# Altium PCB RT_SUPER_B1.PCBdoc (part 1 of 2)
Units mil, origin at the board's own origin, x right, y up, seen from the top; angles counter-clockwise.
Board outline 1617.06 x 1691.18 mil, 4 copper layers (Top Layer, GND, PWR, Bottom Layer), stack 39.556 mil thick; 138 components, 99 nets, 466 pads, 206 vias.
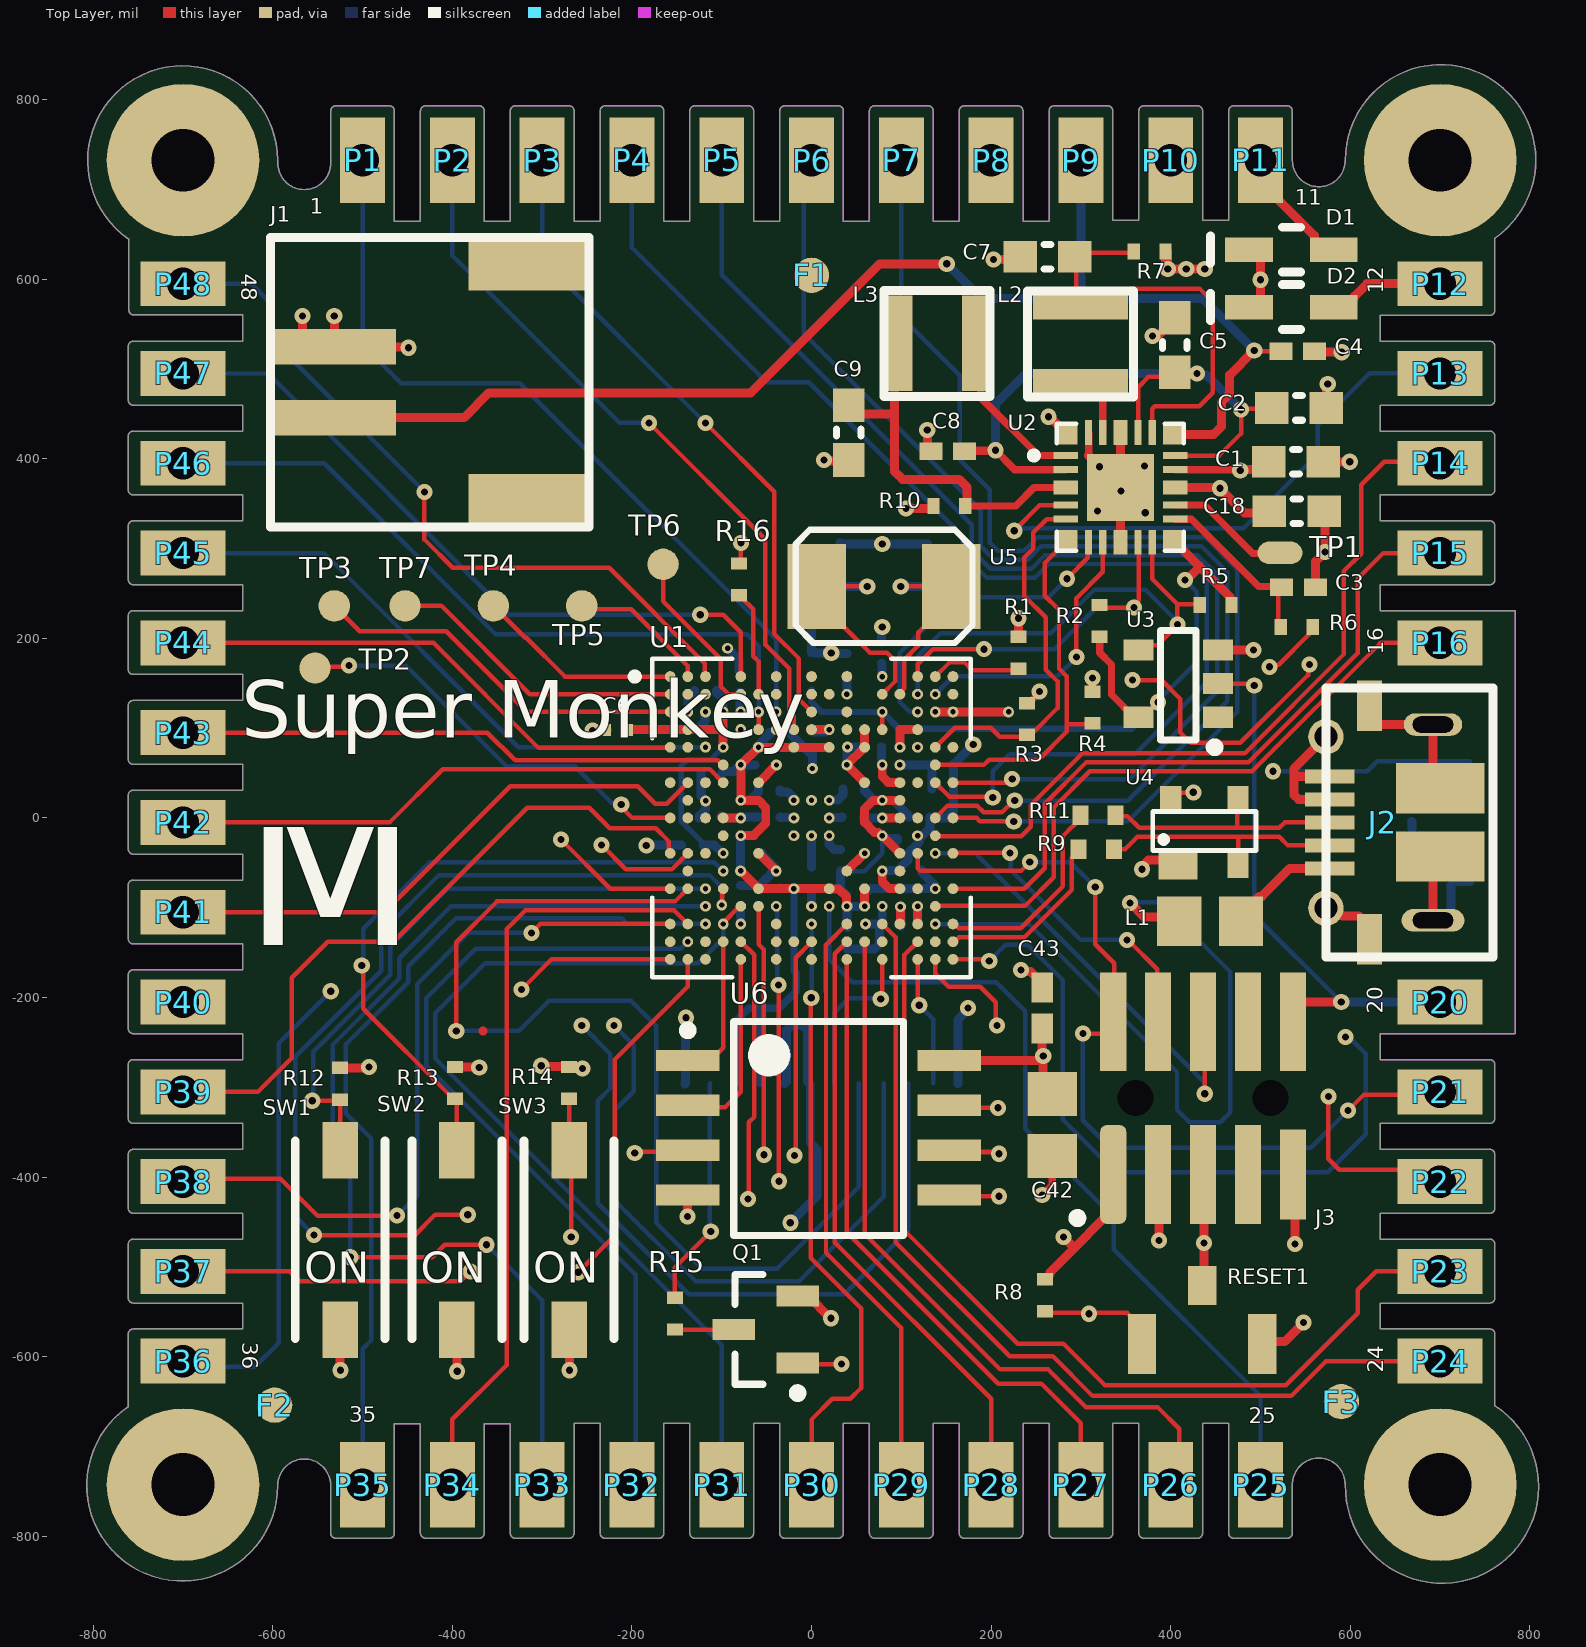
[diagram p0: Top Layer view]
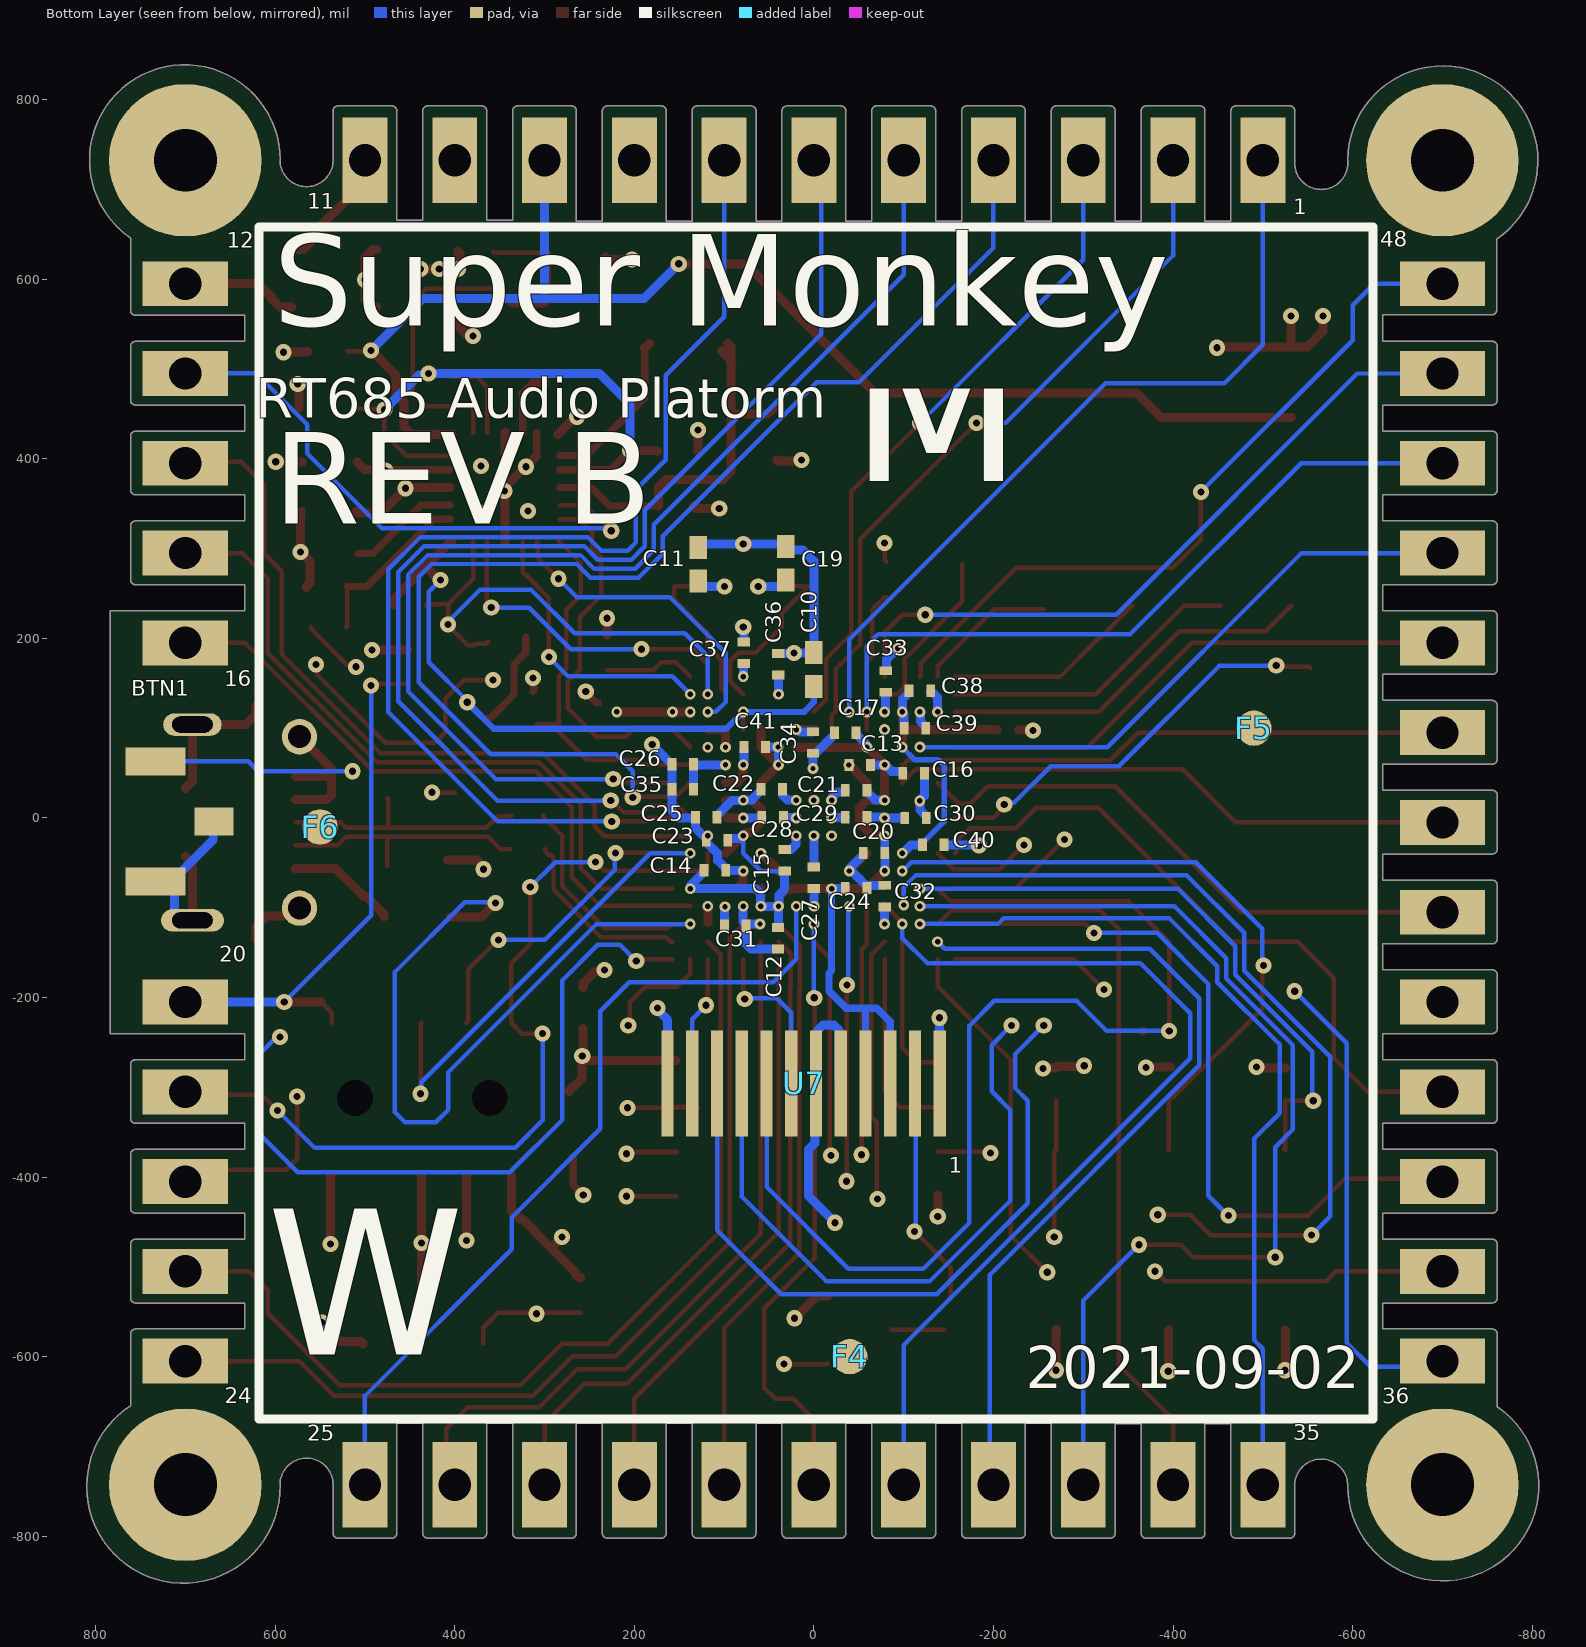
[diagram p1: Bottom Layer view, seen from below]
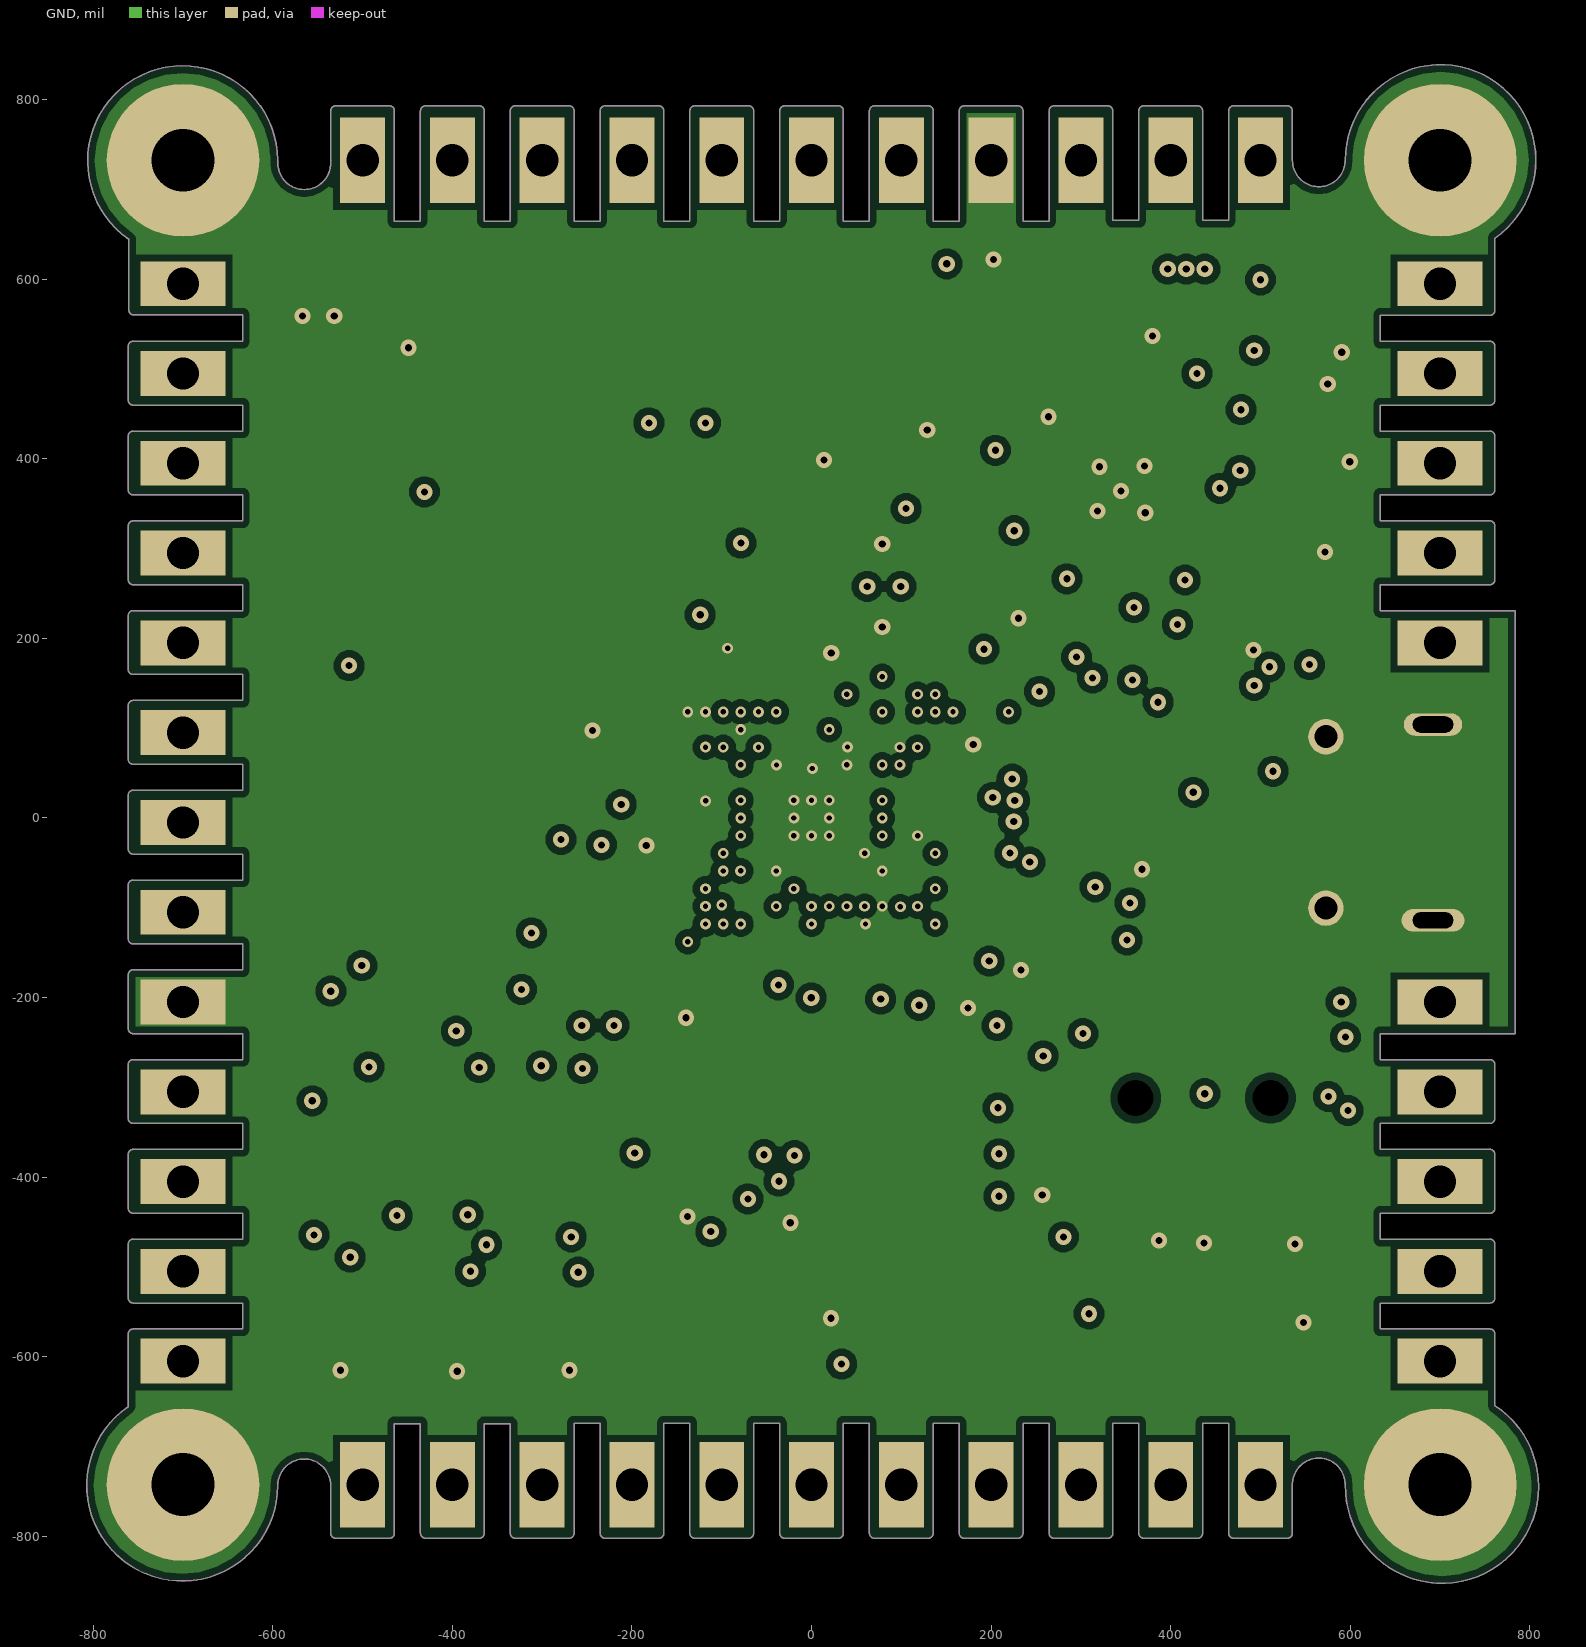
[diagram p2: GND]
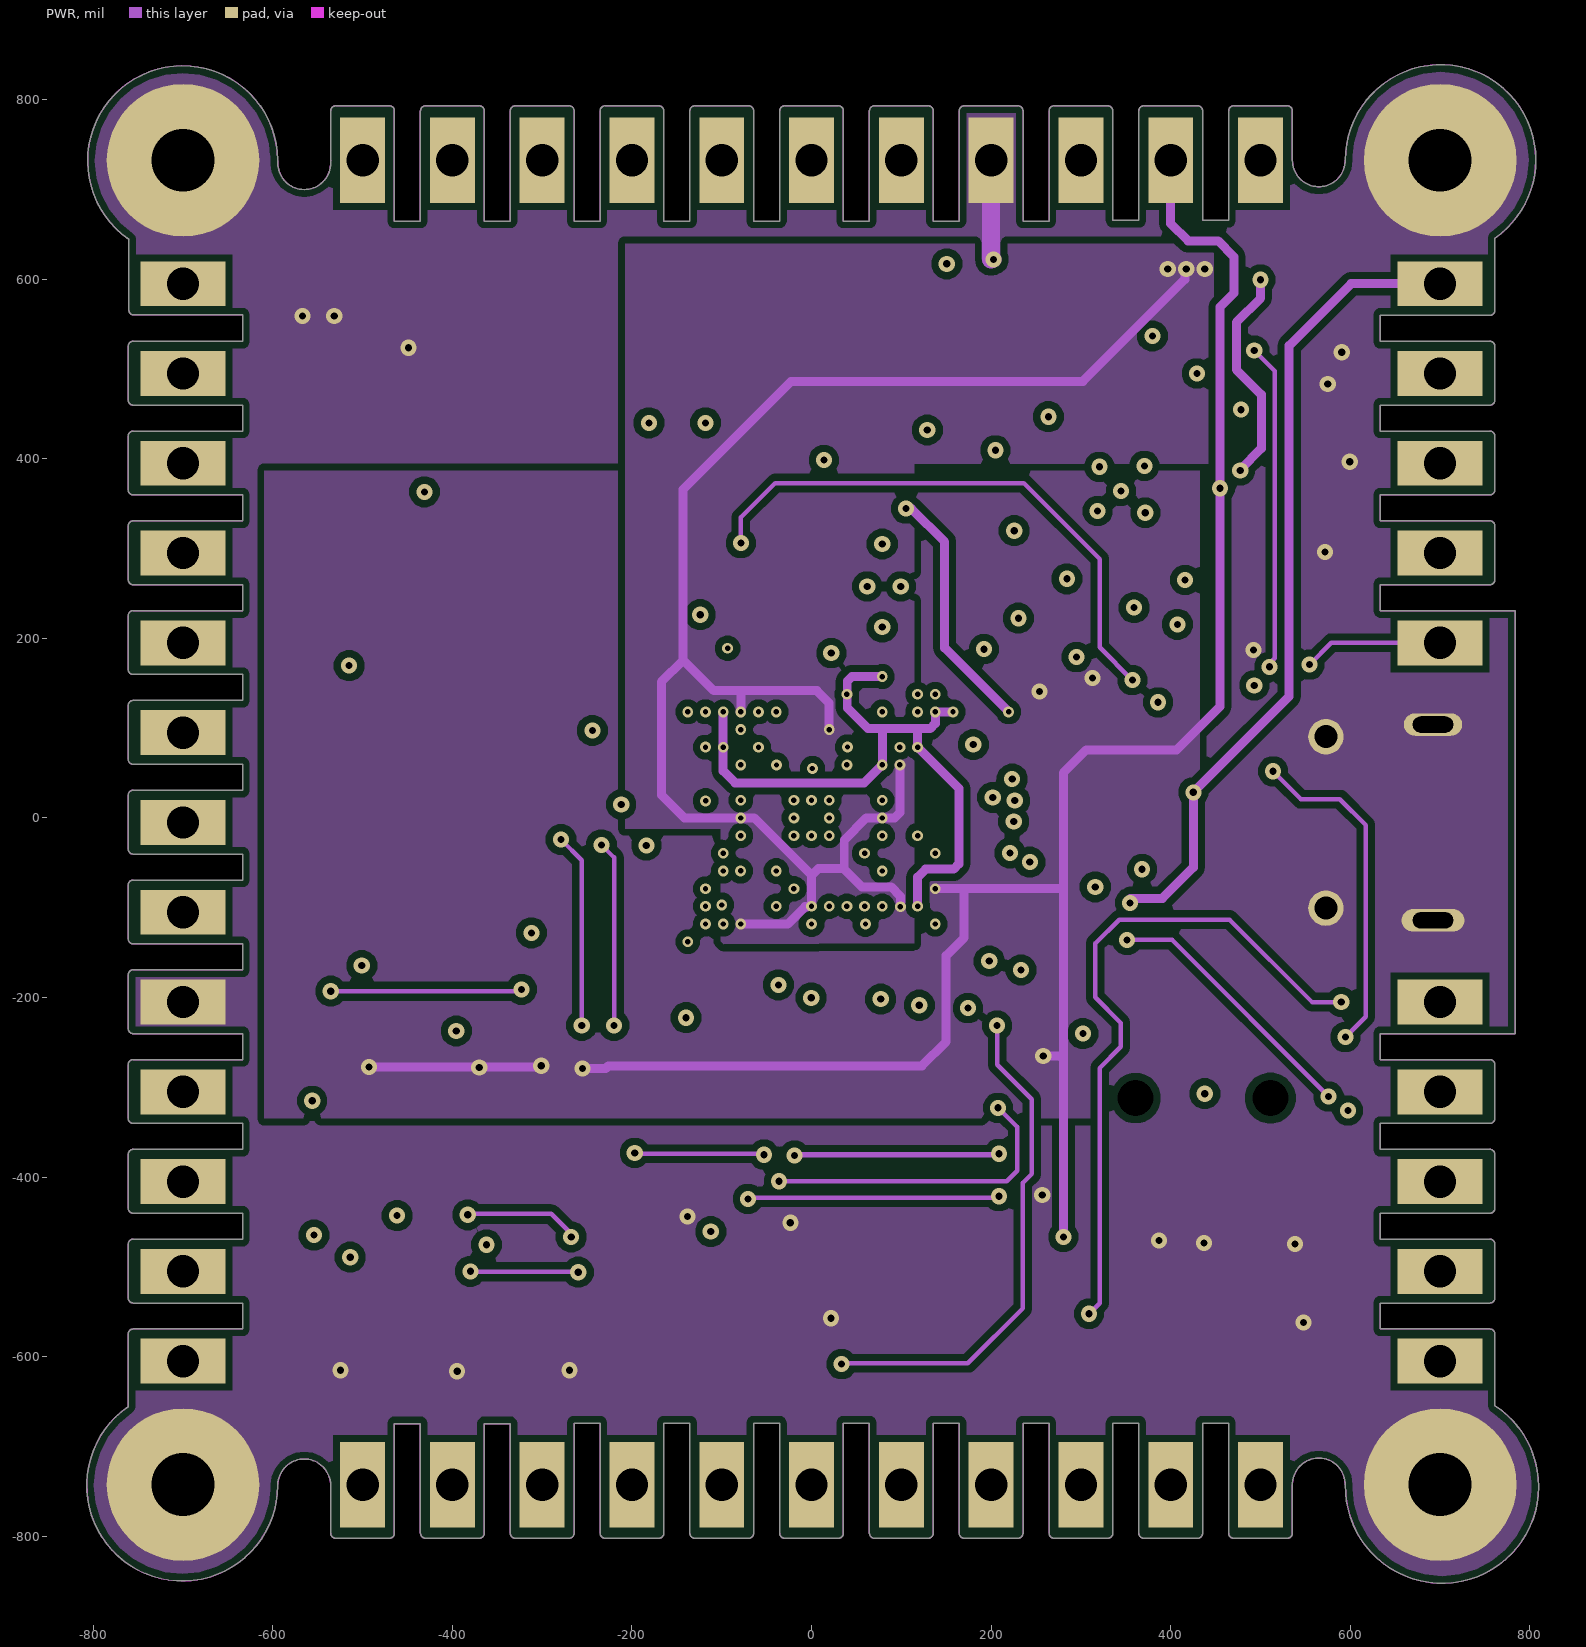
[diagram p3: PWR]
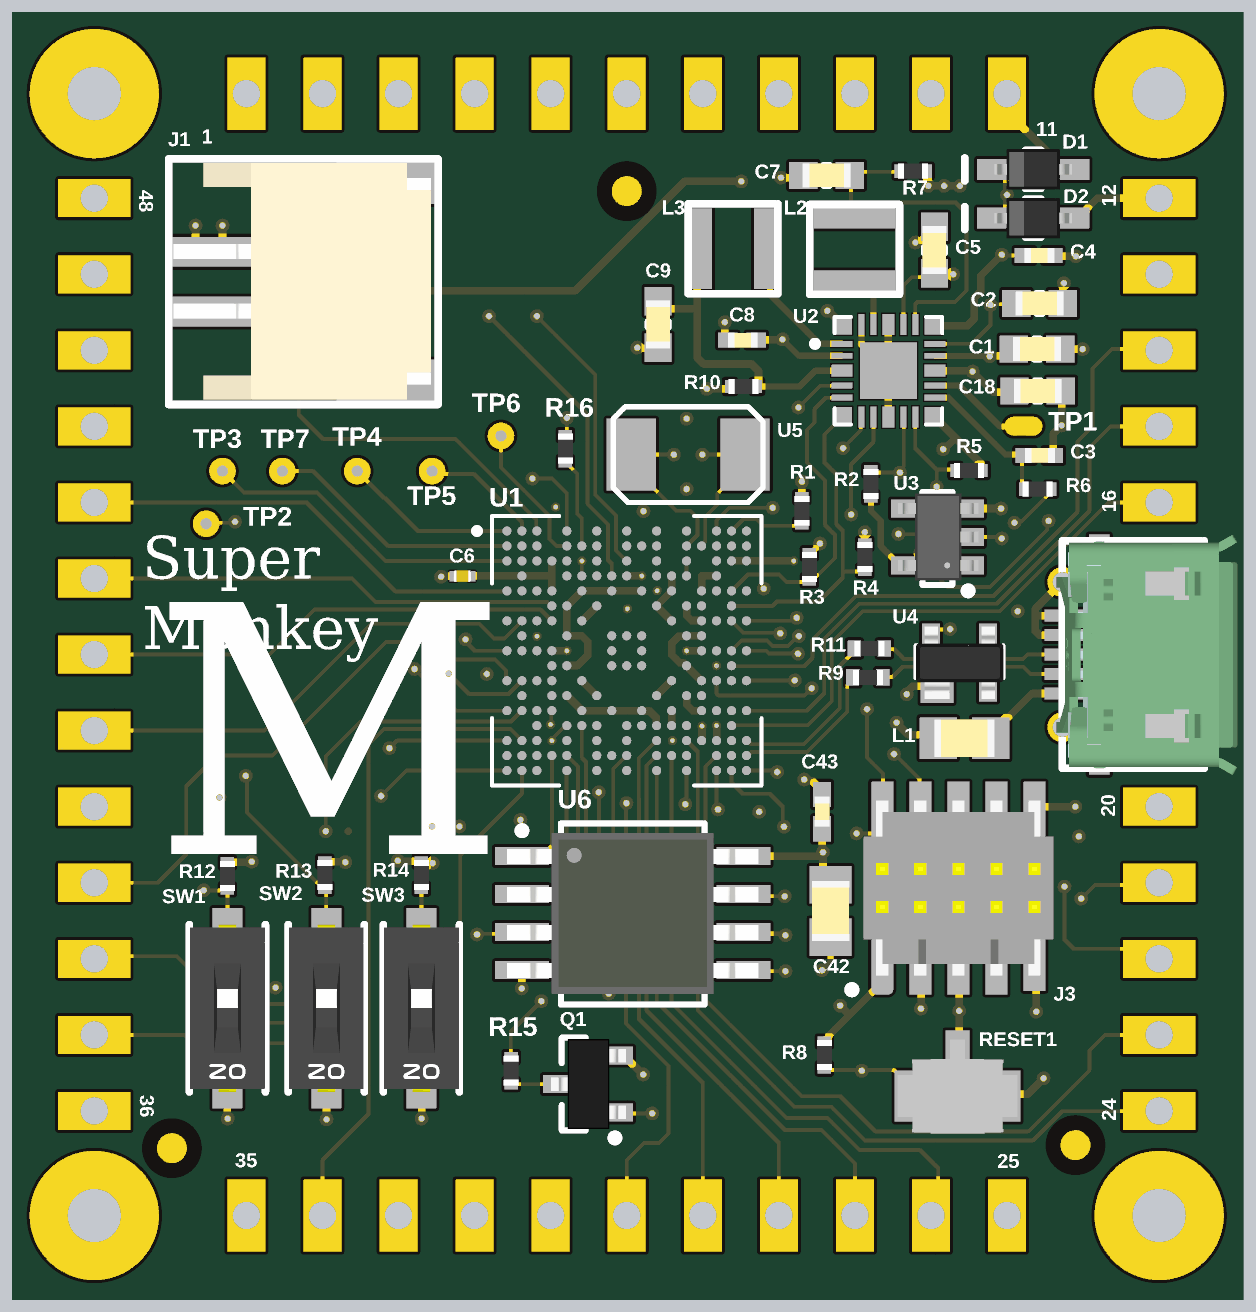
[diagram p5: 3D render of the assembled board from above, using the file's embedded part models]
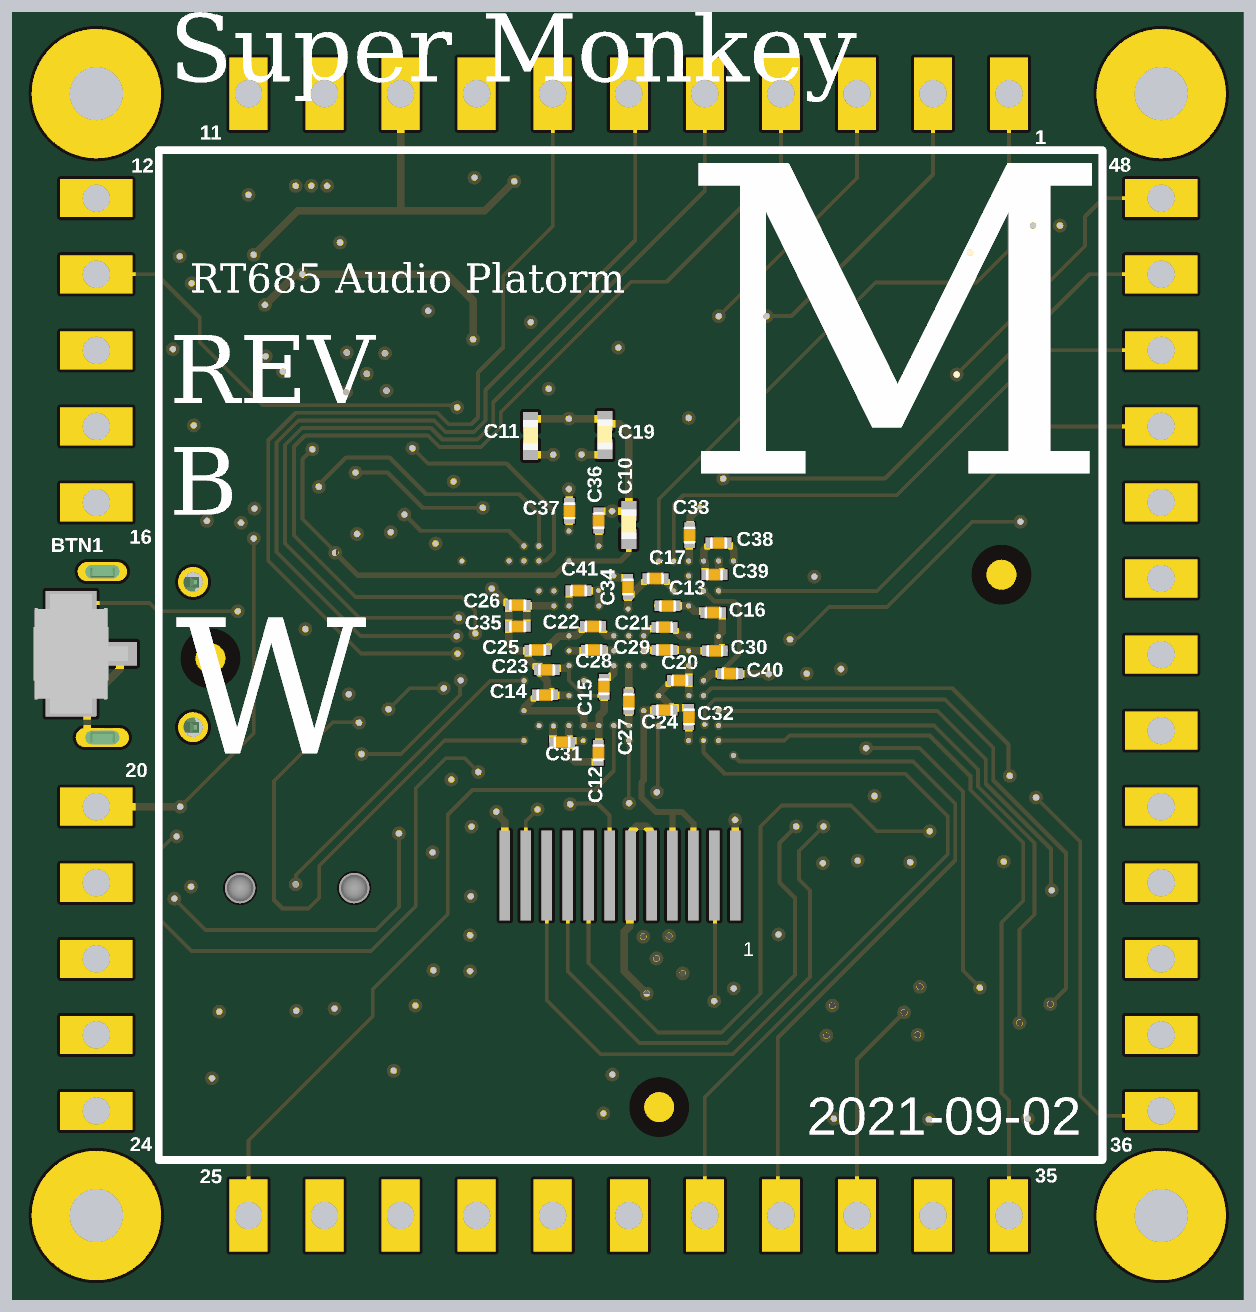
[diagram p6: 3D render of the assembled board from below, using the file's embedded part models]

## Layer stack, top to bottom
Top Solder: solder mask 0.4, Solder Resist, Dk 3.5
Top Layer: signal copper 1.4
Dielectric 1: prepreg 2.8, PP-006, Dk 4.1
GND: signal copper 1.378
Dielectric1: dielectric 28.4, FR-4, Dk 4.8
PWR: signal copper 1.378
Dielectric 2: prepreg 2.8, PP-006, Dk 4.1
Bottom Layer: signal copper 1.4
Bottom Solder: solder mask 0.4, Solder Resist, Dk 3.5

## Board outline
-761.03,-655.63 -761.03,-574.66 cw(c-755.5,-574.66) -755.5,-569.13 -633.63,-569.13 -633.63,-540.19 -755.5,-540.19 cw(c-755.5,-534.66) -761.03,-534.66 -761.03,-474.66 cw(c-755.5,-474.66) -755.5,-469.13 -633.63,-469.13 -633.63,-440.19 -755.5,-440.19 cw(c-755.5,-434.66) -761.03,-434.66 -761.03,-374.66 cw(c-755.5,-374.66) -755.5,-369.13 -633.63,-369.13 -633.63,-340.19 -755.5,-340.19 cw(c-755.5,-334.66) -761.03,-334.66 -761.03,-274.66 cw(c-755.5,-274.66) -755.5,-269.13 -633.63,-269.13 -633.63,-240.19 -755.5,-240.19 cw(c-755.5,-234.66) -761.03,-234.66 -761.03,-174.66 cw(c-755.5,-174.66) -755.5,-169.13 -633.63,-169.13 -633.63,-140.19 -755.5,-140.19 cw(c-755.5,-134.66) -761.03,-134.66 -761.03,-74.66 cw(c-755.5,-74.66) -755.5,-69.13 -633.63,-69.13 -633.63,-40.19 -755.5,-40.19 cw(c-755.5,-34.66) -761.03,-34.66 -761.03,25.34 cw(c-755.5,25.34) -755.5,30.87 -633.63,30.87 -633.63,59.81 -755.5,59.81 cw(c-755.5,65.34) -761.03,65.34 -761.03,125.34 cw(c-755.5,125.34) -755.5,130.87 -633.63,130.87 -633.63,159.81 -755.5,159.81 cw(c-755.5,165.34) -761.03,165.34 -761.03,225.34 cw(c-755.5,225.34) -755.5,230.87 -633.63,230.87 -633.63,259.81 -755.5,259.81 cw(c-755.5,265.34) -761.03,265.34 -761.03,325.34 cw(c-755.5,325.34) -755.5,330.87 -633.63,330.87 -633.63,359.81 -755.5,359.81 cw(c-755.5,365.34) -761.03,365.34 -761.03,425.34 cw(c-755.5,425.34) -755.5,430.87 -633.63,430.87 -633.63,459.81 -755.5,459.81 cw(c-755.5,465.34) -761.03,465.34 -761.03,525.34 cw(c-755.5,525.34) -755.5,530.87 -633.63,530.87 -633.63,560.18 -754.87,560.18 cw(c-754.87,565.71) -760.4,565.71 -760.4,644.52 cw(c-700.38,731.76) -594.49,732.66 cw(c-601.76,732.3) -594.49,732.02 ccw(c-564.99,729.52) -535.38,729.29 ccw(c-564.95,729.29) -535.5,731.96 cw(c-530.02,732.5) -535.53,732.5 -535.53,787.5 cw(c-530,787.5) -530,793.03 -470,793.03 cw(c-470,787.5) -464.47,787.5 -464.47,664.76 -435.53,664.76 -435.53,787.5 cw(c-430,787.5) -430,793.03 -370,793.03 cw(c-370,787.5) -364.47,787.5 -364.47,664.76 -335.53,664.76 -335.53,787.5 cw(c-330,787.5) -330,793.03 -270,793.03 cw(c-270,787.5) -264.47,787.5 -264.47,664.76 -235.53,664.76 -235.53,787.5 cw(c-230,787.5) -230,793.03 -170,793.03 cw(c-170,787.5) -164.47,787.5 -164.47,664.76 -135.53,664.76 -135.53,787.5 cw(c-130,787.5) -130,793.03 -70,793.03 cw(c-70,787.5) -64.47,787.5 -64.47,664.76 -35.53,664.76 -35.53,787.5 cw(c-30,787.5) -30,793.03 30,793.03 cw(c30,787.5) 35.53,787.5 35.53,664.76 64.47,664.76 64.47,787.5 cw(c70,787.5) 70,793.03 130,793.03 cw(c130,787.5) 135.53,787.5 135.53,664.76 164.47,664.76 164.47,787.5 cw(c170,787.5) 170,793.03 230,793.03 cw(c230,787.5) 235.53,787.5 235.53,664.76 264.47,664.76 264.47,787.5 cw(c270,787.5) 270,793.03 330,793.03 cw(c330,787.5) 335.53,787.5 335.53,665.63 364.47,665.63 364.47,787.5 cw(c370,787.5) 370,793.03 430,793.03 cw(c430,787.5) 435.53,787.5 435.53,665.63 464.47,665.63 464.47,787.5 cw(c470,787.5) 470,793.03 530,793.03 cw(c530,787.5) 535.53,787.5 535.53,732.5 ccw(c565,732.5) 594.47,732.5 cw(c700.58,732.76) 806.69,732.9 cw(c700.62,732.9) 761.04,645.73 761.04,565.34 cw(c755.51,565.34) 755.51,559.81 633.64,559.81 633.64,530.87 755.51,530.87 cw(c755.51,525.34) 761.04,525.34 761.04,465.34 cw(c755.51,465.34) 755.51,459.81 633.64,459.81 633.64,430.87 755.51,430.87 cw(c755.51,425.34) 761.04,425.34 761.04,365.34 cw(c755.51,365.34) 755.51,359.81 633.64,359.81 633.64,330.87 755.51,330.87 cw(c755.51,325.34) 761.04,325.34 761.04,265.34 cw(c755.51,265.34) 755.51,259.81 633.64,259.81 633.64,230.87 783,230.87 cw(c783,230.36) 783.52,230.36 783.52,-239.67 cw(c783,-239.67) 783,-240.19 633.64,-240.19 633.64,-269.13 755.51,-269.13 cw(c755.51,-274.66) 761.04,-274.66 761.04,-334.66 cw(c755.51,-334.66) 755.51,-340.19 633.64,-340.19 633.64,-369.13 755.51,-369.13 cw(c755.51,-374.66) 761.04,-374.66 761.04,-434.66 cw(c755.51,-434.66) 755.51,-440.19 633.64,-440.19 633.64,-469.13 755.51,-469.13 cw(c755.51,-474.66) 761.04,-474.66 761.04,-534.66 cw(c755.51,-534.66) 755.51,-540.19 633.64,-540.19 633.64,-569.13 755.51,-569.13 cw(c755.51,-574.66) 761.04,-574.66 761.04,-654.47 cw(c702.14,-744.63) 809.83,-744.63 cw(c702.14,-744.63) 594.47,-742.49 ccw(c565,-742.45) 535.53,-742.5 535.53,-796.59 cw(c530,-796.59) 530,-802.12 470,-802.12 cw(c470,-796.59) 464.47,-796.59 464.47,-673.86 435.53,-673.86 435.53,-796.59 cw(c430,-796.59) 430,-802.12 370,-802.12 cw(c370,-796.59) 364.47,-796.59 364.47,-673.86 335.53,-673.86 335.53,-796.59 cw(c330,-796.59) 330,-802.12 270,-802.12 cw(c270,-796.59) 264.47,-796.59 264.47,-673.86 235.53,-673.86 235.53,-796.59 cw(c230,-796.59) 230,-802.12 170,-802.12 cw(c170,-796.59) 164.47,-796.59 164.47,-673.86 135.53,-673.86 135.53,-796.59 cw(c130,-796.59) 130,-802.12 70,-802.12 cw(c70,-796.59) 64.47,-796.59 64.47,-673.86 35.53,-673.86 35.53,-796.59 cw(c30,-796.59) 30,-802.12 -30,-802.12 cw(c-30,-796.59) -35.53,-796.59 -35.53,-673.86 -64.47,-673.86 -64.47,-796.59 cw(c-70,-796.59) -70,-802.12 -130,-802.12 cw(c-130,-796.59) -135.53,-796.59 -135.53,-673.86 -164.47,-673.86 -164.47,-796.59 cw(c-170,-796.59) -170,-802.12 -230,-802.12 cw(c-230,-796.59) -235.53,-796.59 -235.53,-673.86 -264.47,-673.86 -264.47,-796.59 cw(c-270,-796.59) -270,-802.12 -330,-802.12 cw(c-330,-796.59) -335.53,-796.59 -335.53,-674.72 -364.47,-674.72 -364.47,-796.59 cw(c-370,-796.59) -370,-802.12 -430,-802.12 cw(c-430,-796.59) -435.53,-796.59 -435.53,-674.72 -464.47,-674.72 -464.47,-796.59 cw(c-470,-796.59) -470,-802.12 -530,-802.12 cw(c-530,-796.59) -535.53,-796.59 -535.53,-742.5 ccw(c-565.01,-743.49) -594.47,-742.3 cw(c-727.83,-743.74) -594.47,-743.37 cw(c-700.86,-743.37)